# Altium PCB 测试样板PCB.PcbDoc (part 1 of 5) (continued)
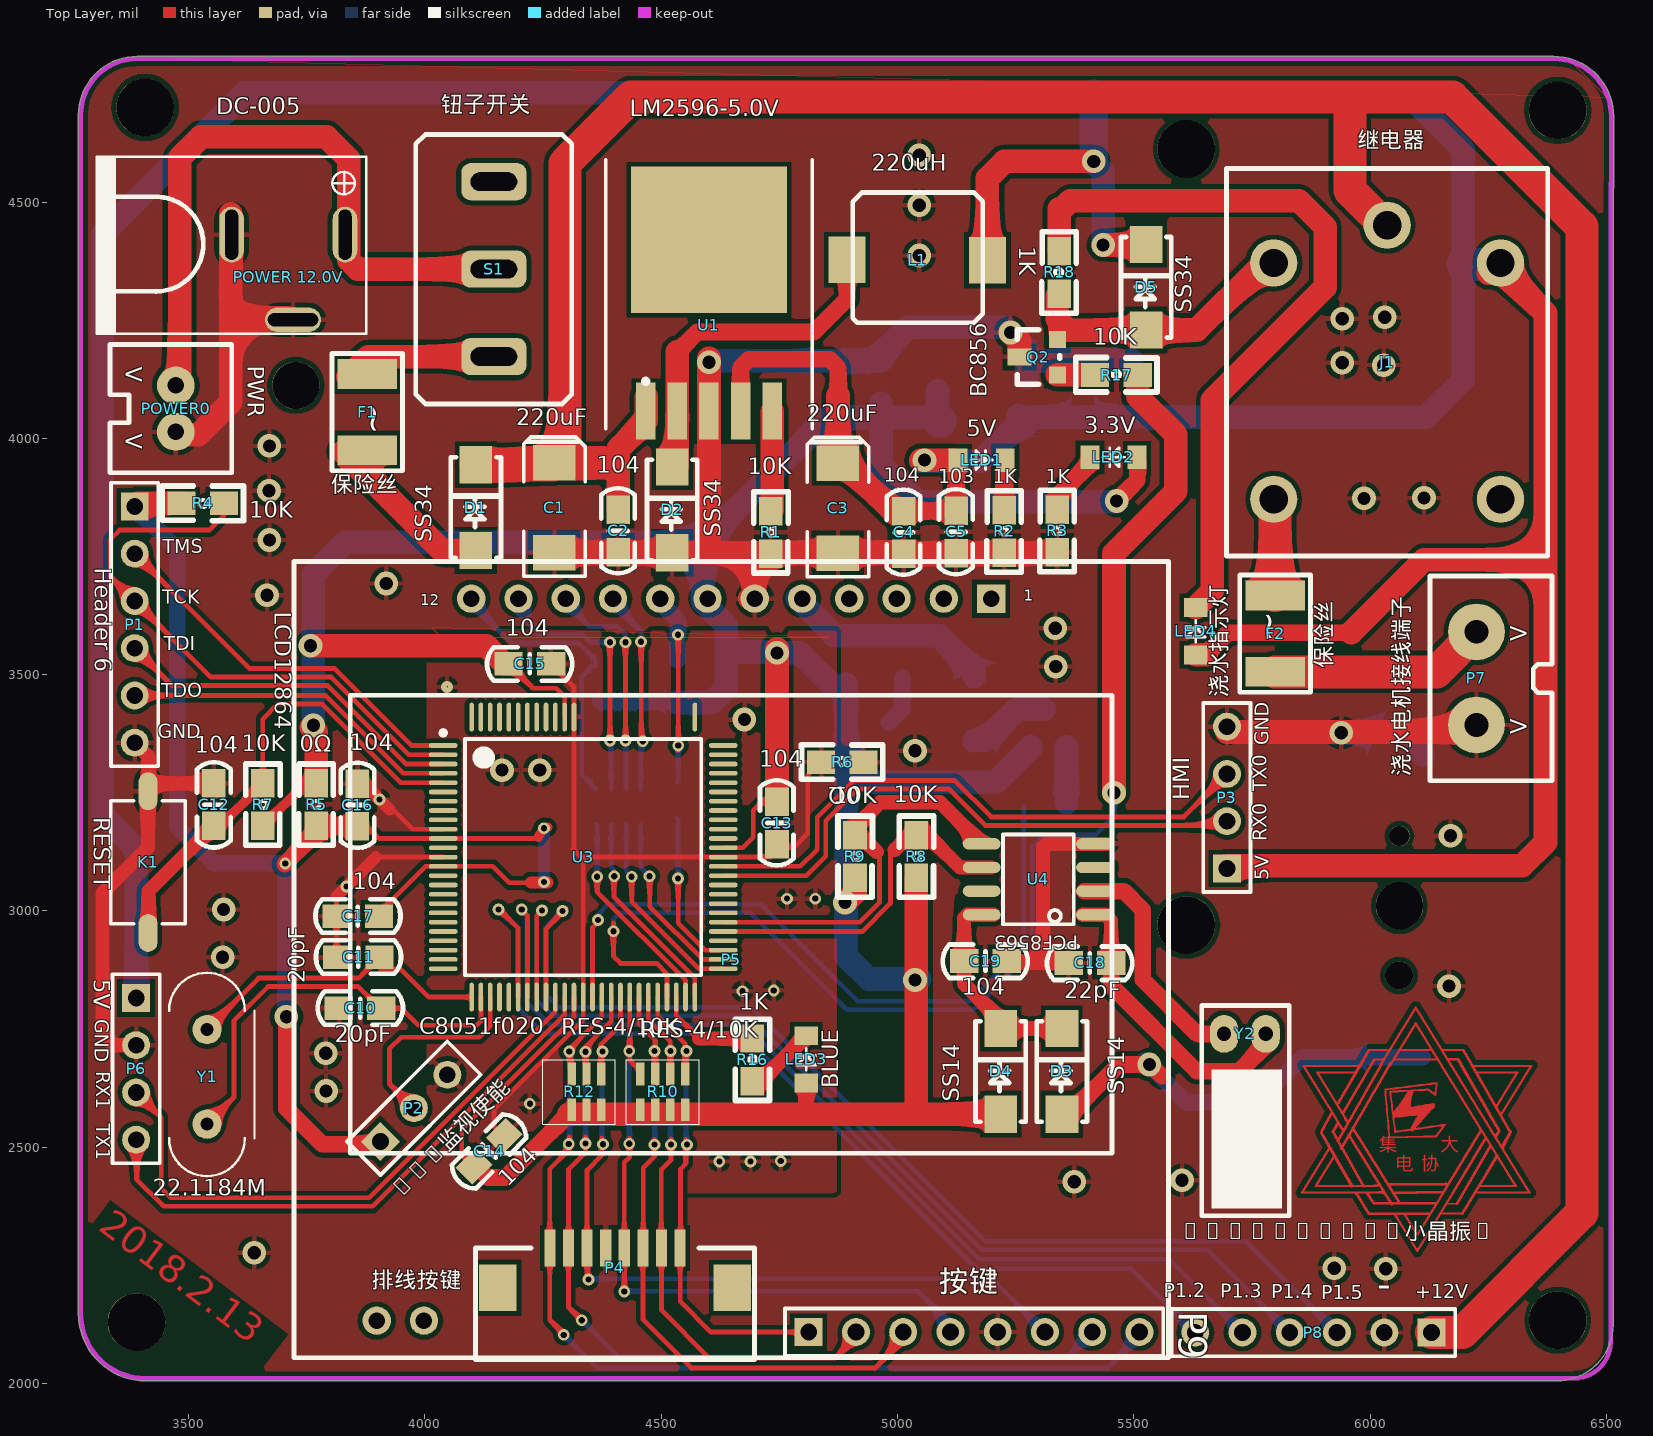
[diagram p0: Top Layer view]
## Footprints (in the part's own frame and the unit in brackets; to place one, negate y for a bottom-side part, rotate by r counter-clockwise, add the part's x,y. Pads: shape width x height; smd on the part's side, far side on the other; paste and mask are expansions set on the pad) (continued)
  round 0 smd: 12(-7.525,0.5) 77(5.5,7.525) 78(5,7.525) 79(4.5,7.525) 80(4,7.525) 81(3.5,7.525) 82(3,7.525) 83(2.5,7.525) 84(2,7.525) 85(1.5,7.525) 86(1,7.525) 87(0.5,7.525) 88(0,7.525)
  oval 0.25x1.55 smd: 26(-6,-7.525) 27(-5.5,-7.525) 28(-5,-7.525) 29(-4.5,-7.525) 30(-4,-7.525) 31(-3.5,-7.525) 32(-3,-7.525) 33(-2.5,-7.525) 34(-2,-7.525) 35(-1.5,-7.525) 36(-1,-7.525) 37(-0.5,-7.525) 38(0,-7.525) 39(0.5,-7.525) 40(1,-7.525) 41(1.5,-7.525) 42(2,-7.525) 43(2.5,-7.525) 44(3,-7.525) 45(3.5,-7.525) 46(4,-7.525) 47(4.5,-7.525) 48(5,-7.525) 49(5.5,-7.525) 50(6,-7.525) 76(6,7.525) 89(-0.5,7.525) 90(-1,7.525) 91(-1.5,7.525) 92(-2,7.525) 93(-2.5,7.525) 94(-3,7.525) 95(-3.5,7.525) 96(-4,7.525) 97(-4.5,7.525) 98(-5,7.525) 99(-5.5,7.525) 100(-6,7.525)
  silkscreen extent -7.65,-6.35 6.35,6.8, body extent -7,-7 7,7, height 1.6
PCF8563 [mil]
  oval 80x24 smd: 1(0,1) 2(0,-49) 3(0,-99) 4(0,-149) 5(240,-149) 6(240,-99) 7(240,-49) 8(240,1)
  silkscreen extent 45,-169 195,21, body extent 3,-169 239,23, height 67
SO-8 [mm]
  oval 2.2x0.6 smd: 1(-0.038,0.025) 2(-0.038,-1.245) 3(-0.038,-2.515) 4(-0.038,-3.785) 5(4.762,-3.785) 6(4.762,-2.515) 7(4.762,-1.245) 8(4.762,0.025)
  silkscreen extent -0.16,-4.38 3.43,1, body extent 0.41,-4.33 4.31,0.57, height 1.75
SOT-23 [mil]
  rect 36x36 smd: 1(-2.52,-5.16) 2(72.48,-5.16)
  rect 36x50 smd: 3(35.48,74.84)
  silkscreen extent -23,-10 92,80, body extent -22,-18 92,92, height 47
SS14 [mm]
  rect 2x1.75 smd: 1(-0.178,0.025) 2(4.422,0.025)
  silkscreen extent -0.58,-1.32 4.82,1.38, body extent -0.38,-1.32 4.73,1.35, height 2.12
TO-263-5 [mil]
  rect 41.34x120 smd: 1(-3.86,0.66) 2(63.07,0.66) 3(130,0.66) 4(196.93,0.66) 5(263.86,0.66)
  rect 330x310 smd: 6(130,363.34)
  silkscreen extent -89,-37 349,532, body extent -80,-18 340,572, height 118
XTAL [mil]
  oval 60x80 hole 30: 1(-61,-4) 2(27,-4)
  silkscreen extent -108,-389 77,56, body extent -82,-72 54,54, height 365
排阻(4位贴片)#1 [mm]
  rect 1.22x0.45 smd: 1(-0.051,0.013) 2(1.869,0.013) 3(-0.051,-0.787) 4(1.869,-0.787) 5(-0.051,-1.587) 6(1.869,-1.587) 7(-0.051,-2.387) 8(1.869,-2.387)
  silkscreen extent -0.81,-3.14 2.64,0.76, body extent 0.1,-2.79 1.7,0.41, height 0.59
排阻(4位贴片)#2 [mm]
  rect 1.22x0.45 smd: 1(-0.051,0.013) 2(1.869,0.013) 3(-0.051,-0.787) 4(1.869,-0.787) 5(-0.051,-1.587) 6(1.869,-1.587)
  rect 0x0 smd: 7(-0.051,-2.387) 8(1.869,-2.387)
  silkscreen extent -0.81,-3.14 2.64,0.76, body extent 0.1,-2.79 1.7,0.41, height 0.59
接线端子 [mil]
  round 120 hole 50: 1(121.57,-105) 2(318.43,-105)
  silkscreen extent 3,-265 437,-7
接线端子(小)-2PIN [mil]
  round 80 hole 35: 1(0,0) 2(98.43,0)
  silkscreen extent -87,-139 185,118
"电感 220uh" [mm]
  rect 2x2.5 smd: 1(-0.048,0.065) 2(7.496,0.04)
  silkscreen extent 0.26,-3.31 7.25,3.69, body extent 0.2,-3.4 7.32,3.71, height 4
继电器 [mil]
  round 100 hole 60: 1(-15,265) 2(225,-315) 3(-255,-315) 4(225,185) 5(-255,185)
  silkscreen extent -355,-435 325,385
贴片按键 [mil]
  oval 80x40 smd: 1(-5.71,2.8) 2(294.29,2.8)
  silkscreen extent 14,-76 274,82, body extent 24,-69 264,77, height 98
钮子开关(大) [mm]
  rrect50% 2x3.5 hole 1 slot 2.5 at 90 deg: 1(-0.102,-0.025) 2(4.598,-0.025) 3(9.298,-0.025)
  silkscreen extent -2.64,-4.21 11.83,4.17

## Part data
C1 C3 C6 C8 C21: library part Cap1(100uF)
C2 C4 C5 C7 C9 C10 C11 C12 C13 C14 C15 C16 C17 C18 C19 C20: library part C1
D1 D2 D5: library part SS14
F1 F2: library part F1
K1: library part Key(两脚贴片)
L1: library part L1
LED1 LED2 LED3 LED4: library part LED
P1: "Header, 6-Pin"
P2: library part "Header 3", "Header, 3-Pin"
P3 P6: library part "Header 4", "Header, 4-Pin"
P4: library part Key-8
P5: library part 12864
P7: library part 接线端子
P8: library part "Header 6", "Header, 6-Pin"
P9: library part "Header 8", "Header, 8-Pin"
POWER0: library part 接线端子(小)-2PIN
Q1 Q2: library part Q1
R1 R2 R3 R4 R5 R6 R7 R8 R9 R14 R15 R16 R17 R18 R19 R20: library part R1
R10 R12 R13 R21: library part RES-4
U1: library part LM2596
Y1 Y2: library part XTAL

## Free pads (board coordinates)
  round 122.05 hole 122.05: 0(3390,2130) 0(3408,4700) 0(5610.92,4612.3) 0(5611,2970) 0(6397,2134) 0(6397,4694)
  round 100 hole 100: 0(3727,4112)
  oval 61.02x9.84 smd: 12(4038.74,3133.69)

## Via types
v1: diameter 25, hole 13, Top Layer to Bottom Layer, 50 vias
v2: diameter 50, hole 28, Top Layer to Bottom Layer, 46 vias
v3: diameter 25, hole 3, Top Layer to Bottom Layer, 1 vias

## Nets (pads, with @x,y where several pads share a name; then routed paths per layer and width w, separated by ;. In a path a pad name is that pad's centre, name@x,y a point inside that pad or via, vN(x,y) a via of type N, cw(c..) or ccw(c..) an arc to the next point about the centre after c; other vN are vias at no path point)
5V: C3.1 C4.2 C5.2 C6.1 C7.2 D5.2 J1.4 L1.2 LED1.1 LED4.1 P3.1 P6.1 U1.4 U2.3 U2.4 | length 11147.6
  Top Layer w35: U1.4@4667.93,4057.66 4667.93,4149.93 4685,4167 4857,4167 4874,4150 4874,4090 ; C4.2@4990,3846 C4.2@5013,3846 5123,3846 C5.2@5124,3847 LED1.1@5124,3949 ; D5.2@5526,4410.1 D5.2@5527.1,4409 ; LED4.1@5653,3542 5700,3589 5960,3589
  Top Layer w50: 4874,4090 C3.1@4874,3947 4889,3947 C4.2@4990,3846 ; v2@5049,3954 5119,3954 LED1.1@5124,3949 ; L1.2@5190.11,4376.56 5190.11,4550.11 5226,4586 v2(5415,4586) ; v2(5435,4409) 5524.9,4409 D5.2@5526,4410.1 ; LED4.1@5631,3542 LED4.1@5653,3542 ; P3.1@5697,3090 5697,3096 6322,3096 6371,3145 6371,3743 ; 5960,3589 6114,3743 6371,3743 ; J1.4@6250,4350 6268,4368 6371,4265 6371,3743
  Bottom Layer w35: 5413,4731 5415,4729
  Bottom Layer w50: P6.1@3389,2816 3389,3132 3317,3204 3317,4430 3618,4731 5413,4731 6077,4731 6197,4611 6197,4368 6197,4124 6118,4045 C6.1@5495,4045 5274,4045 ; v2@5049,3952 5177,3952 5255,4030 ; 5256,4049 5256,4030 ; 5273.49,4030 5256,4030 ; v2@5407,4592 5435,4564 v2(5435,4409) ; J1.4@6273,4368 J1.4@6276,4371 ; 5255,4030 5256,4030 ; 5255,4030 5256,4029 5256,4030
  Bottom Layer w60: v2(5415,4586) 5415,4729
  Bottom Layer w70: 6197,4368 J1.4@6273,4368
  other v2: 5057,3954
12V: C1.1 C2.2 D1.2 J1.1 P8.1 U1.1 | length 6333.2
  Top Layer w50: C1.1@4270.1,3944.1 C1.1@4274,3948 ; 4383,3948 4409,3922 ; C2.2@4409,3849 4409,3922 ; U1.1@4468,4088 4468,4037 4409,3978 4409,3922
  Top Layer w70: D1.2@4108,3944.1 C1.1@4270.1,3944.1 ; 4383,3948 C1.1@4274,3948 4296,3970 4296,4582 4436,4722 6174,4722 6448,4448 6448,2361 6195,2108 P8.1@6130,2108 ; 5957,4706 5957,4525 J1.1@6027,4455
"AVDD 3.3V": C16.2 C17.2 P1.1 P2.1 R4.1 R5.2 U3.11 U3.14 | length 3023.3
  Top Layer w10: C16.2@3856,3180 C16.2@3857,3179 3877,3179 3902.63,3153.37 U3.11@4038.74,3153.37 4239.37,3153.37 ; C17.2@3907,2988 3927,2988 3911,3004 4001.32,3094.32 U3.14@4038.74,3094.32 4143.69,3094.32 4178.5,3059.5 4230,3059.5
  Top Layer w20: 4239.37,3156.37 v1(4252,3175) v1@4259.53,3176.88
  Top Layer w25: 4224.5,3060.5 v1@4260,3060.5
  Top Layer w35: v1@3703,3099 v1(3704.5,3100.5) 3770,3166 R5.2@3770,3180 C16.2@3856,3180 ; v2@3707,2783 v2(3707,2776) 3707,2582 3783,2506 P2.1@3913,2506
  Top Layer w50: P1.1@3393,3863 R4.1@3491,3863
  Bottom Layer w25: v1@4252,3058 v1(4252,3175)
  Bottom Layer w35: P1.1@3386,3856 3476,3766 3476,3178 3553.5,3100.5 v1(3704.5,3100.5) 3704.5,2778.5 v2(3707,2776)
  other v1: 4252,3061
DGND: C13.1 C14.1 C15.1 P2.3 R6.2 U3.38 U3.63 U3.89 | length 1780.7
  Top Layer w10: C14.1@4167.04,2523.04 4146,2544.07 4146,2580.18 4335,2769.18 U3.38@4335,2817.74 4335,3110 4331,3114 ; C15.1@4267,3523 4315.31,3474.68 U3.89@4315.31,3410.26 4315.31,3129.68 ; 4313,3132 4315.31,3129.68 ; R6.2@4838,3315 4810,3287 4810,3164 4781,3135 4753,3135 4732,3114 U3.63@4631.26,3114 4331,3114 ; 4315.31,3129.68 4331,3114
  other v1: 4623,2470 4689,2470 4753,2471 4222,2592 4672,2830 4738,2832 4766,3026 4826,3026
  other v2: 4163,3298 4243,3298 4676,3405
  other v3: 4047,3474
GND: "POWER 12.0V.2" "POWER 12.0V.3" B1.2 C1.2 C2.1 C3.2 C4.1 C5.1 C6.2 C7.1 C8.2 C9.1 C10.1 C11.1 C12.1 C16.1 C17.1 C18.2 C19.1 C20.1 C21.2 D2.1 K1.2 P1.6 P3.4 P4.5 P5.6 P6.2 P7.1 P8.2 P9.5 POWER0.2 Q2.3 R1.1 R2.2 R3.2 R6.1 U1.3 U2.1 U2.2 U3.10 U3.13 U4.4 | length 6221.8
  Top Layer w10: 3813,3031 C17.1@3813,2989 3813,2903 C11.1@3814,2902 ; C16.1@3857,3269 C16.1@3871,3269 ; 3896,3114 U3.13@4038.74,3114 ; 3925,3215 3932,3215 3973.94,3173.06 U3.10@4038.74,3173.06 ; C19.1@5231,2894 5262,2894
  Top Layer w25: 3813,3031 3896,3114 ; C16.1@3871,3269 3925,3215
  Top Layer w30: P1.6@3376.5,3365.5 3415.2,3326.8 K1.2@3415.2,3283 ; P6.2@3389,2716 3343,2716 3318,2741 3318,3038 3414.2,3134.2 K1.2@3414.2,3253.29 ; K1.2@3415.2,3240.29 K1.2@3415.2,3283 ; C12.1@3553,3270 3428.2,3270 K1.2@3415.2,3283 ; 5262,2894 5266,2890 5308,2890 ; C18.2@5362,2890 5308,2890 ; U4.4@5442,3142 5315,3142 5308,3135 5308,2890
  Top Layer w35: R3.2@5335,3756 R3.2@5338,3759
  Top Layer w50: POWER0.2@3472,4007.57 3520.57,4007.57 3589,4076 3589,4254 ; 3589,4475 3589,4298 ; 3590,4297 3589,4298 ; 3721,4251 3718,4254 3589,4254 ; C1.2@4274,3758 4593,3758 ; v2@4601,4169 U1.3@4601,4057.66 4601,3766 4593,3758 ; P5.6@4688,3661.78 4696,3669.78 4696,3758 ; v2(5239,4224) 5258.16,4204.84 Q2.3@5258.16,4182 ; R3.2@5335,3756 C4.1@5013,3756 5011,3758 4696,3758 ; P3.4@5697,3378.57 6210,3378.57 P7.1@6225,3393.57 ; 3589,4254 3589,4298 ; 4593,3758 4696,3758
  Bottom Layer w35: C20.1@4981,3398 5010,3427 C21.2@5010,3493
  Bottom Layer w50: v2@4607,4164 C8.2@4852,4164 C9.1@4965,4164 4965,4178 5022,4235 5229,4235 5273.49,4190.51 U2.1@5273.49,4164 5273.49,4147.49 ; 5273.49,4128 5273.49,4147.49 ; C6.2@5495,4165 5494,4164 C7.1@5393,4164 5290,4164 5273.49,4147.49 ; v2@5917,3378 6064,3378 6111,3331 B1.2@6111,3330
  other v1: 3834,3052 3904,3236
  other v2: 6033,2243 5924,2244 3639,2277 5374,2427 5602,2430 3791,2619 3790,2699 6167,2841 3572,2902 3574,3003 6170,3159 5037,3339 5939,3377 5335,3517 5334,3598 3666,3668 3918,3693 3671,3785 5987,3873 6114,3874 3670,3889 3671,3984 6029,4155 5941,4160 4601,4161 5941,4253 6031,4256 5046,4387 5046,4493 5046,4599
IO1: P8.3 U3.34 | length 2391.5
  Top Layer w10: U3.34@4256.26,2817.74 4256.26,2962.26 v1@4299,3005
  Bottom Layer w10: v1(4291,3000) 4255,2964 4255,2824 4283,2796 4690.37,2796 5185.37,2301 5737,2301 P8.3@5947,2091
IO2: P8.4 U3.33 | length 2298.4
  Top Layer w10: U3.33@4236.57,2817.74 4236.57,2989.57 v1(4248,3001) v1@4254,3007
  Bottom Layer w10: v1(4248,3001) 4236,2989 4236,2812.46 4270.46,2778 4682.91,2778 5177.91,2283 5655,2283 P8.4@5846,2092
IO3: P8.5 U3.32 | length 2227.5
  Top Layer w10: v1@4198.5,3009.5 v1(4205,3003) 4216.89,2991.11 U3.32@4216.89,2817.74
  Bottom Layer w10: v1(4205,3003) 4205,3000 4216,2989 4216,2807 4264,2759 4676.46,2759 5172.46,2263 5575,2263 P8.5@5747,2091
IO4: P8.6 U3.31 | length 2175.2
  Top Layer w10: v1@4152,3009 4197.2,2963.8 U3.31@4197.2,2817.74
  Bottom Layer w10: v1(4156,3003) 4197,2962 4197,2795 4252,2740 4670,2740 5167,2243 5495,2243 P8.6@5646,2092
"KEY DOWN": P4.2 P9.2 R10.3 U3.45 | length 1217.6
  Top Layer w10: U3.45@4472.8,2817.74 4472.8,2770.2 4519,2724 R10.3@4519,2655 ; P4.2@4500,2303 4500,2452 4520.5,2472.5 4520.5,2518 ; P4.2@4500.63,2287 4500.63,2155.37 4602,2054 4868,2054 4912,2098 P9.2@4912,2109
  Bottom Layer w10: v1@4519.5,2505.5 v1(4519.5,2703.5)
  other v1: 4520.5,2505.5
"KEY LCD": P4.8 P9.8 R12.5 U3.40 | length 2105.7
  Top Layer w10: P4.8@4264,2303 4264,2454 4306,2496 4306,2522 ; P4.8@4264.41,2287 4264.41,2134.59 v1@4298,2101 ; R12.5@4308.5,2655 4308.5,2710.5 4374.37,2776.37 U3.40@4374.37,2817.74
  Bottom Layer w10: v1(4293.89,2103.11) 4364,2033 5445,2033 5512,2100 P9.8@5512,2109 ; v1@4306.5,2507 v1@4306.5,2702.5
  other v1: 4304.5,2507 4305.5,2702.5
"KEY LEFT": P4.6 P9.6 R12.1 U3.42 | length 1693.6
  Top Layer w10: P4.6@4343,2303 4343,2451.85 4374,2482.85 4374,2520 ; v1@4343.15,2220 P4.6@4343.15,2287 ; R12.1@4371.5,2655 4371.5,2715.5 4413.74,2757.74 U3.42@4413.74,2817.74 ; v1@4373.15,2504.15 v1@4374,2505
  Bottom Layer w10: v1@4342,2228 4348,2222 5199,2222 P9.6@5312,2109 ; v1@4374.5,2506.5 v1@4374.5,2702.5
  other v1: 4346,2220 4376.5,2506.5 4375.5,2702.5
"KEY NC": P4.7 P9.7 R12.3 U3.41 | length 1915.2
  Top Layer w10: P4.7@4303.78,2287 4303.78,2162 v1@4334,2131.78 ; P4.7@4304,2303 4304,2453.22 4340,2489.22 v1(4340,2508) 4340,2522 ; R12.3@4340,2655 v1(4340,2702) 4340,2713 4394.06,2767.06 U3.41@4394.06,2817.74
  Bottom Layer w10: v1(4331.89,2134.11) 4410,2056 5359,2056 P9.7@5412,2109 ; v1(4340,2508) v1(4340,2702)
"KEY OK": P4.3 P9.3 R10.5 U3.44 | length 1385.8
  Top Layer w10: U3.44@4453.11,2817.74 4453.11,2760.89 4487.5,2726.5 R10.5@4487.5,2655 ; P4.3@4461.26,2287 4461.26,2135.74 4565,2032 ; P4.3@4462,2303 4462,2457 4486,2481 v1@4486,2517 ; 4565,2033 4952,2033 ; 4952,2032 5012,2092 P9.3@5012,2109
  Bottom Layer w10: v1@4486.5,2505.5 v1@4486.5,2703.5
  other v1: 4485.5,2505.5 4485.5,2703.5
"KEY RIGHT": P4.4 P9.4 R10.7 U3.43 | length 1408
  Top Layer w10: v1(4421.89,2195.11) P4.4@4421.89,2287 ; P4.4@4422,2303 4422,2468 4433,2479 v1@4433,2519 ; U3.43@4433.43,2817.74 4433.43,2683.57 R10.7@4454,2663
  Bottom Layer w10: v1(4421.89,2195.11) 5043.89,2195.11 5112,2127 P9.4@5112,2109 ; v1(4432.5,2507.5) v1(4432.5,2703.5)
"KEY UP": P4.1 P9.1 R10.1 U3.46 | length 1015.3
  Top Layer w10: U3.46@4492.48,2817.74 4492.48,2777.52 4550.5,2719.5 R10.1@4550.5,2655 ; P4.1@4540,2287 4540,2174 4605,2109 P9.1@4812,2109 ; P4.1@4541,2303 4541,2454 4552,2465 v1@4552,2517
  Bottom Layer w10: v1@4552.5,2505.5 v1@4552.5,2703.5
  other v1: 4554.5,2505.5 4553.5,2703.5
"LCD CS": P5.12 R13.1 R21.1 | length 628.2
  Bottom Layer w10: P5.12@4088,3661.78 4182.78,3567 4325,3567 4360.5,3531.5 R21.1@4360.5,3518 4354,3518 4332,3496 4332,3288.5 R13.1@4362.5,3258
"LCD ON": R14.2 U3.39 | length 1539.6
  Top Layer w10: U3.39@4354.69,2817.74 4354.69,2965 4367,2977.31 v1@4367,2990
  Bottom Layer w10: v1@4360.84,2971.16 4367.5,2977.81 4367.5,2993.5 4388,3014 4711,3014 4916,2809 5153,2809 5267,2923 R14.2@5267,3220
  other v1: 4366,2981
"LCD RS": P5.10 R13.5 R21.5 | length 588
  Top Layer w10: v1@4424.5,3352 v1(4424.5,3360.5) v1(4424.5,3568.5) ; v1(4424.5,3568.5) 4424.5,3577 v1(4424.5,3568.5)
  Bottom Layer w10: P5.10@4288,3661.78 4347.78,3602 4407,3602 4424.5,3584.5 v1(4424.5,3568.5) ; R21.5@4424.5,3518 v1@4424.5,3577 ; R13.5@4425.5,3258 v1@4425.5,3369
"LCD RST": P5.11 R13.3 R21.3 | length 651.8
  Top Layer w10: v1@4391.5,3352 v1(4391.5,3360.5) v1(4391.5,3568.5) ; v1(4391.5,3568.5) 4391.5,3577 v1(4391.5,3568.5)
  Bottom Layer w10: P5.11@4188,3661.78 4188,3638 4241,3585 4332.46,3585 4348.96,3568.5 v1(4391.5,3568.5) ; R21.3@4391.5,3518 v1(4391.5,3568.5) ; v1@4392,3568 v1(4391.5,3568.5) ; R13.3@4394,3258 v1@4394,3369
"LCD SCK": P5.8 R19.2 R20.2 | length 485.3
  Top Layer w10: v1@4536,3339 v1@4536,3584.5
  Bottom Layer w10: R19.2@4534,3272 4536,3274 v1@4536,3362
  Bottom Layer w35: P5.8@4488,3661.78 4535.5,3614.28 v1(4535.5,3584.5) ; R20.2@4534,3531 v1@4534,3583
  other v1: 4536,3350
"LCD SDA": P5.9 R13.7 R21.7 | length 526.8
  Top Layer w10: v1@4457.48,3352 4457.97,3352.49 4457.97,3569.5 v1@4457.99,3578 ; v1(4457.5,3569.5) v1@4457.5,3578
  Bottom Layer w10: P5.9@4388,3661.78 4457.5,3592.28 v1(4457.5,3569.5) ; R13.7@4456.99,3258 v1@4456.99,3369 ; R21.7@4457.99,3518 v1@4457.99,3578
  other v1: 4461,3359
"LED TEST": R16.2 U3.48 | length 226.6
  Top Layer w10: U3.48@4532.11,2823.74 4532.11,2777.89 4580,2730
  Top Layer w30: 4580,2730 R16.2@4693,2730
LEDA: P5.5 R15.2 | length 449.7
  Bottom Layer w50: P5.5@4788,3661.78 4867.78,3582 5088,3582 5162,3508 R15.2@5162,3496
"MCU 3.3V": C8.1 C9.2 C13.2 C14.2 C15.2 C20.2 C21.1 D4.1 LED2.1 LED3.1 P5.7 Q1.2 R5.1 R7.1 R8.1 R9.1 R10.2 R10.4 R10.6 R10.8 R12.2 R12.4 R12.6 R20.1 R21.2 R21.4 R21.6 R21.8 U2.5 U2.6 U2.7 U3.37 U3.64 U3.90 | length 8414.8
  Top Layer w10: R5.1@3747,3270 R5.1@3770,3270 ; C14.2@4110.9,2451.9 4078,2484.79 4078,2538 4278.23,2738.23 4278.59,2738.23 4315.31,2774.95 U3.37@4315.31,2817.74 ; C15.2@4177,3523 4229,3471 4278,3471 4295.63,3453.37 U3.90@4295.63,3410.26 ; U3.64@4631.26,3133.69 4672.69,3133.69 4695,3156 4695,3213 4713,3231 C13.2@4745,3231
  Top Layer w20: R7.1@3657,3180 R5.1@3747,3270
  Top Layer w30: 4807,2573 LED3.1@4807,2636
  Top Layer w35: C14.2@4123,2446 4133,2436 4170,2436 R12.6@4304,2570 ; v2@5461.5,3865.5 5507,3911 LED2.1@5507,3960 ; 5509,3927 LED2.1@5509,3948
  Top Layer w50: v2(3758,3561) 4130,3561 4168,3523 C15.2@4177,3523 ; v2@3760,3389 3770,3379 R5.1@3770,3270 ; R12.6@4304,2570 D4.1@5218,2570 ; C13.2@4745,3231 v2@4745,3555 ; v2(4889,3018) 4910,3039 R9.1@4910,3070 ; 5040,2579 R8.1@5040,3070
  Bottom Layer w30: R21.2@4369,3442 R20.1@4545,3442
  Bottom Layer w50: v2(3764,3393) 3764,3713 3831,3780 4588,3780 ; R20.1@4534,3441 4607,3441 4638,3472 4638,3570 ; v2(4745,3546) 4793,3546 4859,3480 ; v2@4753,3548 4660,3548 4638,3570 ; C21.1@4891,3480 C20.2@4891,3398 4891,3328.1 ; C9.2@4965,4074 C9.2@4965,4044 ; v2@5047,2856 4939,2856 4891,2904 4891,3328.1 ; 5084.51,4101 U2.6@5084.51,4064 5084.51,4044 ; 5099.75,4041.25 5099.75,4031.75 5095,4027 5084.51,4027 5084.51,4044 ; Q1.2@5282.52,3346.84 5207.68,3272 4950,3272 4891,3328.1 ; v2(5463.5,3867.5) 5462,3866 5044.02,3866 4965,3945.02 C9.2@4965,4044 ; 4588,3780 C8.1@4852,4044 C9.2@4965,4044 ; 4588,3780 4588,3654 4638,3604 4638,3570 ; C9.2@4965,4044 5084.51,4044
  other v2: 5037,2854
MONEN: P2.2 U3.28 | length 441.4
  Top Layer w10: P2.2@3976.71,2582.71 3925,2634.42 3925,2708 3950,2733 4115,2733 4138.15,2756.15 U3.28@4138.15,2817.74
"MOTOR PWR": F2.2 J1.3 | length 204.8
  Top Layer w50: J1.3@5796,3871 J1.3@5799,3868
  Top Layer w70: F2.2@5799,3667.42 J1.3@5799,3868
NetB1_1: B1.1 D3.1 | length 931.9
  Top Layer w35: D3.1@5348,2570 5364,2570 5469,2675 v2(5533,2675) 5535,2675 5560,2650
  Bottom Layer w35: v2@5522,2684 5612,2594 5760,2594 5856,2690 B1.1@6111,2690
NetC18_1: C18.1 U4.1 Y2.2 | length 651.7
  Top Layer w30: U4.1@5392,2992 5440,2992 5452,2980 C18.1@5452,2890
  Top Layer w35: C18.1@5452,2890 5452,2842 5633,2661 5724,2661 5779,2716 Y2.2@5779,2740
NetC19_2: C19.2 D3.2 D4.2 U4.8 | length 460.7
  Top Layer w30: U4.8@5203,2992 5148,2992 5141,2985 C19.2@5141,2894 5141,2846 5218,2769 D4.2@5218,2751.1 D3.2@5348,2751.1
NetD1_1: D1.1 F1.2 | length 367.6
  Top Layer w50: F1.2@3827,3972 4036,3763 D1.1@4108,3763
NetD2_2: D2.2 L1.1 U1.2 | length 728.9
  Top Layer w35: 4534.07,4183.07 4576,4225 4823,4225 4893.11,4295.11 L1.1@4893.11,4377.56
  Top Layer w50: D2.2@4534.07,3942.03 U1.2@4534.07,4057.66 4534.07,4183.07
NetD5_1: D5.1 J1.5 Q2.2 R18.2 | length 636.6
  Top Layer w35: Q2.2@5338.16,4209.48 5338.16,4253 ; R18.2@5338.16,4302.16 R18.2@5342,4306
  Top Layer w50: R18.2@5338.16,4302.16 5338.16,4253 5344.16,4247 5344.16,4235 5356.16,4235 5362.16,4229 D5.1@5526,4229 5633,4229 5765,4361 J1.5@5805,4361
NetF1_1: F1.1 S1.1 | length 326.8
  Top Layer w50: F1.1@3837,4130 3880,4173 S1.1@4146,4173
NetF2_1: F2.1 P7.2 | length 461
  Top Layer w70: F2.1@5799,3506 6140.57,3506 P7.2@6225,3590.43
NetLED1_2: LED1.2 R2.1 | length 106.8
  Top Layer w35: R2.1@5226,3848 5226,3952 LED1.2@5228,3954
NetLED2_2: LED2.2 R3.1 | length 128.4
  Top Layer w35: R3.1@5338,3849 5338,3877 LED2.2@5409,3948
NetLED3_2: LED3.2 R16.1 | length 153.8
  Top Layer w30: R16.1@4693,2640 4711,2640 LED3.2@4807,2736
NetLED4_2: LED4.2 R18.1 | length 1601.7
  Top Layer w50: R18.1@5342,4396 5342,4486 5349,4486 5366,4503 5849,4503 5905,4447 5905,4320 5666,4081 5666,3677 LED4.2@5631,3642
NetPOWER0_1: "POWER 12.0V.1" POWER0.1 S1.2 | length 1387
  Top Layer w50: POWER0.1@3481,4131 3481,4593 3526,4638 3792,4638 3839,4591 3839,4377 3857.96,4358.04 S1.2@4146,4358.04
NetQ1_1: Q1.1 R14.1 | length 117.8
  Bottom Layer w50: R14.1@5357.52,3229 Q1.1@5357.52,3346.84
NetQ1_3: Q1.3 R15.1 | length 176
  Bottom Layer w50: R15.1@5162.52,3360.48 R15.1@5162,3361 5187,3361 5252.84,3426.84 Q1.3@5310,3426.84
NetQ2_1: Q2.1 R17.2 | length 80
  Top Layer w50: Q2.1@5338.16,4134.48 5417.52,4134.48 R17.2@5418,4134
NetR1_2: R1.2 U1.5 | length 212.8
  Top Layer w50: R1.2@4732,3846 4734.86,3848.86 U1.5@4734.86,4057.66
NetR13_2: R13.2 U3.49 | length 461
  Top Layer w10: v1@4364.5,3082 v1(4364.5,3072.5) 4364.5,3040.04 4551.54,2853.01 U3.49@4551.54,2817.74
  Bottom Layer w10: R13.2@4362.5,3182.41 4364.5,3180.41 v1@4364.5,3064
NetR13_4: R13.4 U3.50 | length 456.3
  Top Layer w10: v1@4400,3083 4400,3030 4571.22,2858.78 U3.50@4571.22,2817.74
  Bottom Layer w10: R13.4@4394,3182.41 4394,3092 4400.5,3085.5 v1@4400.5,3065
  other v1: 4400.5,3073.5
NetR13_6: R13.6 U3.51 | length 436.6
  Top Layer w10: v1@4437.5,3081 v1(4437.5,3072.5) 4437.5,3019.5 4579.22,2877.78 U3.51@4631.26,2877.78
  Bottom Layer w10: R13.6@4425.5,3182.41 4426,3181.91 4426,3084 v1@4443,3067
NetR13_8: R13.8 U3.52 | length 391
  Top Layer w10: v1@4476,3082 4476,3009 4587.54,2897.46 U3.52@4631.26,2897.46
  Bottom Layer w10: R13.8@4456.99,3182.41 4456.99,3092.01 v1(4475.5,3073.5)
NetR19_1: R19.1 U3.53 | length 351.1
  Top Layer w10: v1@4536,3078 4536,2974.46 4593.31,2917.15 U3.53@4631.26,2917.15
  Bottom Layer w10: R19.1@4533,3196 4535.5,3193.5 v1(4535.5,3068.5)
NetU4_2: U4.2 Y2.1 | length 507.2
  Top Layer w35: U4.2@5395,3042 5479,3042 5519,3002 5519,2855 5634,2740 Y2.1@5691,2740
RESET: C12.2 K1.1 R7.2 U3.5 | length 1038
  Top Layer w10: C12.2@3553,3180 C12.2@3567,3180 ; R7.2@3657,3270 3657,3406 3689,3438 3782,3438 3948.52,3271.48 U3.5@4038.74,3271.48
  Top Layer w20: C12.2@3567,3180 R7.2@3657,3270
  Top Layer w30: K1.1@3415.2,2940.29 3415.2,3042.2 C12.2@3553,3180
RXD0: P3.2 U3.61 | length 1217.5
  Top Layer w10: U3.61@4631.26,3074.63 4806.63,3074.63 4848,3116 4848,3191 4915,3258 5109,3258 5186,3181 P3.2@5697,3181
RXD1: P6.3 U3.35 | length 1282.6
  Top Layer w10: P6.3@3389,2595 P6.3@3389,2616 3442,2563 3442,2413 3462,2393 3882.45,2393 4042,2552.55 4042,2552.91 4263.32,2774.23 4263.68,2774.23 4275.94,2786.49 U3.35@4275.94,2817.74
SCL: R8.2 U3.55 U4.6 | length 740.7
  Top Layer w10: U3.55@4631.26,2956.52 4925.52,2956.52 4985,3016 4985,3122 4993,3130
  Top Layer w30: 4994,3129 5025,3160 R8.2@5040,3160 5064,3160 5132,3092 U4.6@5178,3092 U4.6@5198,3092
SDA: R9.2 U3.56 U4.5 | length 855.4
  Top Layer w10: U3.56@4631.26,2976.2 4919.75,2976.2 4962,3018.46 4962,3119 4956,3125
  Top Layer w30: 4956,3125 4922,3159 4909,3159 4909,3176 4963,3230 5090,3230 U4.5@5172.5,3147.5
TCK: P1.3 R4.2 U3.2 | length 1227.2
  Top Layer w10: R4.2@3575,3863 3575,3837 3544,3806 3354,3806 3334,3786 3334,3708 P1.3@3386,3656 3547,3495 3801.37,3495 3965.83,3330.54 U3.2@4038.74,3330.54
TDI: P1.4 U3.3 | length 754.3
  Top Layer w10: P1.4@3386,3556 3465,3477 3793.91,3477 3960.06,3310.85 U3.3@4038.74,3310.85
TDO: P1.5 U3.4 | length 721
  Top Layer w10: P1.5@3386,3456 3789.46,3456 3954.29,3291.17 U3.4@4038.74,3291.17
TMS: P1.2 U3.1 | length 820.8
  Top Layer w10: P1.2@3386,3756 3629,3513 3808.82,3513 3971.6,3350.22 U3.1@4038.74,3350.22
TXD0: P3.3 U3.62 | length 1250.7
  Top Layer w10: U3.62@4631.26,3094.32 4794.31,3094.32 4830,3130 4830,3198.46 4907.54,3276 5121,3276 5198,3199 5606,3199 P3.3@5697,3290
TXD1: P6.4 U3.36 | length 1221.5
  Top Layer w10: P6.4@3389,2516 3390.27,2517.27 3390.27,2431.73 3447,2375 3889.91,2375 4060,2545.09 4060,2545.46 4270.77,2756.23 4271.14,2756.23 4295.63,2780.72 U3.36@4295.63,2817.74
WATER: R17.1 U3.47 | length 2753.2
  Top Layer w10: 4399,2975 4399,2904 4414,2889 4490.09,2889 4512.17,2866.92 U3.47@4512.17,2817.74
  Top Layer w50: v2(5458,3250) 5458,3757 5589,3888 5589,4008 5508,4089 R17.1@5508,4134
  Bottom Layer w10: v1@4399,2947 4399,2982 4413,2996 4688,2996 4893,2791 5160.46,2791 5285,2915.54 5285,3135 5311,3161 5419,3161 5458,3200 v2(5458,3250)
  other v1: 4399,2957
XTAL1: C11.2 U3.26 Y1.2 | length 645.7
  Top Layer w10: Y1.2@3539,2749 3648,2858 3860,2858 C11.2@3904,2902 ; C11.2@3906,2877 3949,2877 4008.26,2817.74 U3.26@4098.78,2817.74
XTAL2: C10.2 U3.27 Y1.1 | length 883.6
  Top Layer w10: Y1.1@3539,2549 3596,2606 3596,2768 3668,2840 3859,2840 3905,2794 C10.2@3908,2794 3950,2794 3986,2758 4110,2758 4118.46,2766.46 U3.27@4118.46,2817.74
pads on no net: B1.0 J1.2 P4.0 P5.1 P5.2 P5.3 P5.4 P5.13 P5.14 P5.15 P5.16 R12.7 R12.8 S1.3 U1.6 U2.8 U3.6 U3.7 U3.8 U3.9 U3.12 U3.15 U3.16 U3.17 U3.18 U3.19 U3.20 U3.21 U3.22 U3.23 U3.24 U3.25 U3.29 U3.30 U3.54 U3.57 U3.58 U3.59 U3.60 U3.65 U3.66 U3.67 U3.68 U3.69 U3.70 U3.71 U3.72 U3.73 U3.74 U3.75 U3.76 U3.77 U3.78 U3.79 U3.80 U3.81 U3.82 U3.83 U3.84 U3.85 U3.86 U3.87 U3.88 U3.91 U3.92 U3.93 U3.94 U3.95 U3.96 U3.97 U3.98 U3.99 U3.100 U4.3 U4.7
copper on no net: | length 33755.2